# KiCad board solenoidDecoder.kicad_pcb
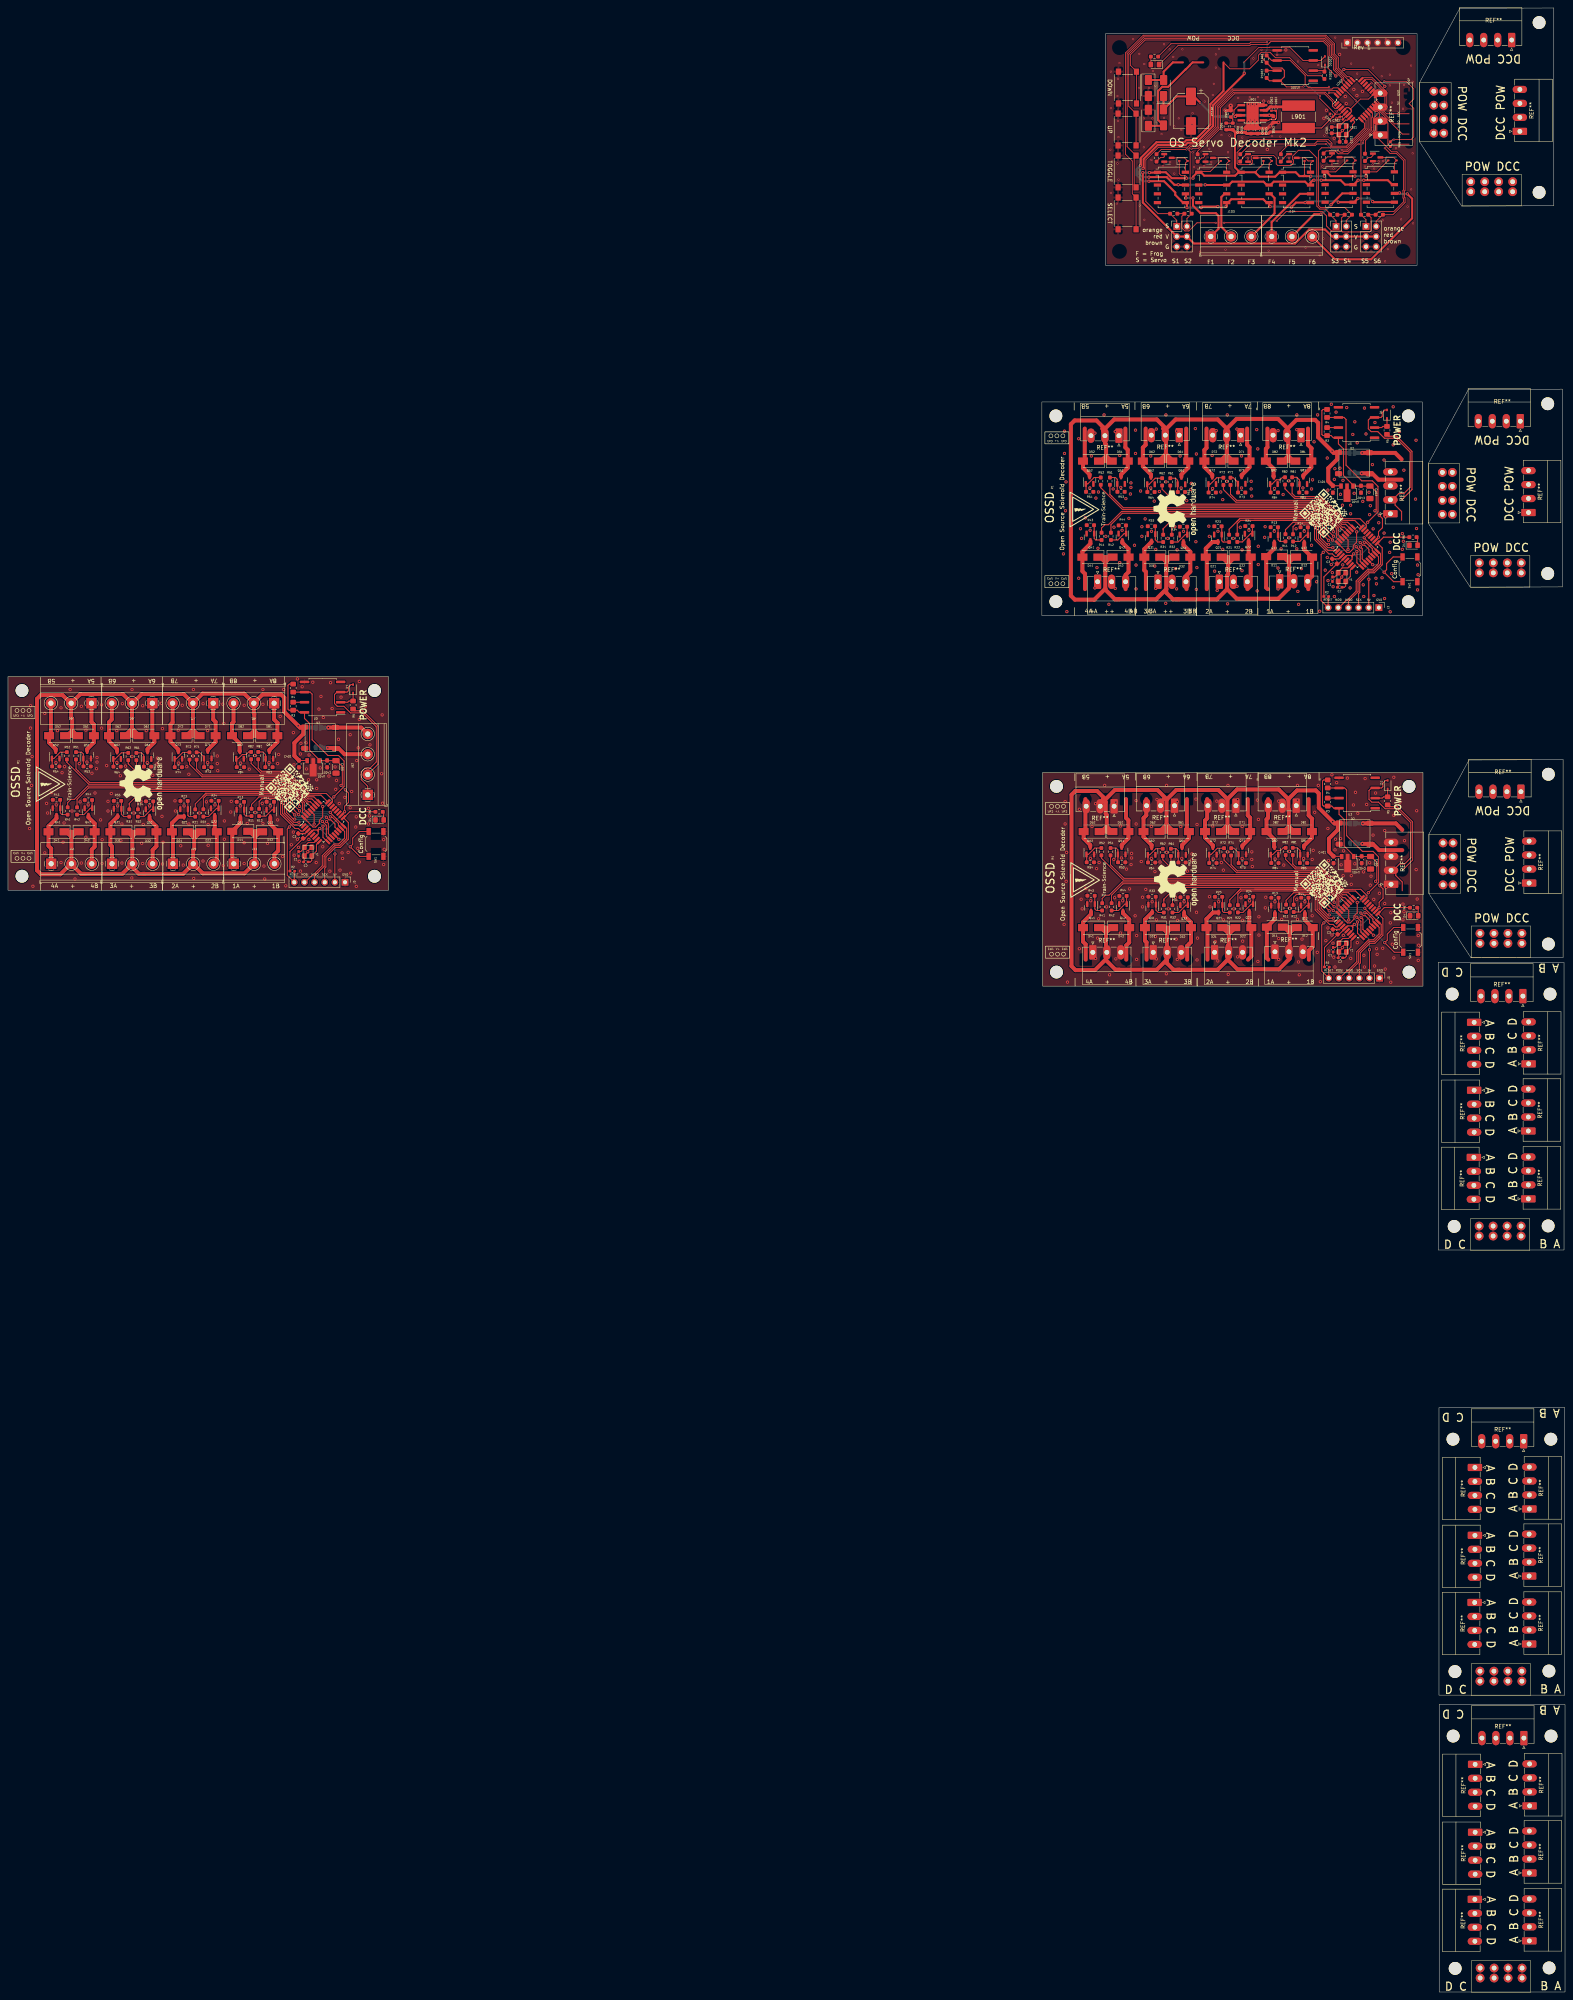
[diagram p0: board, top side]
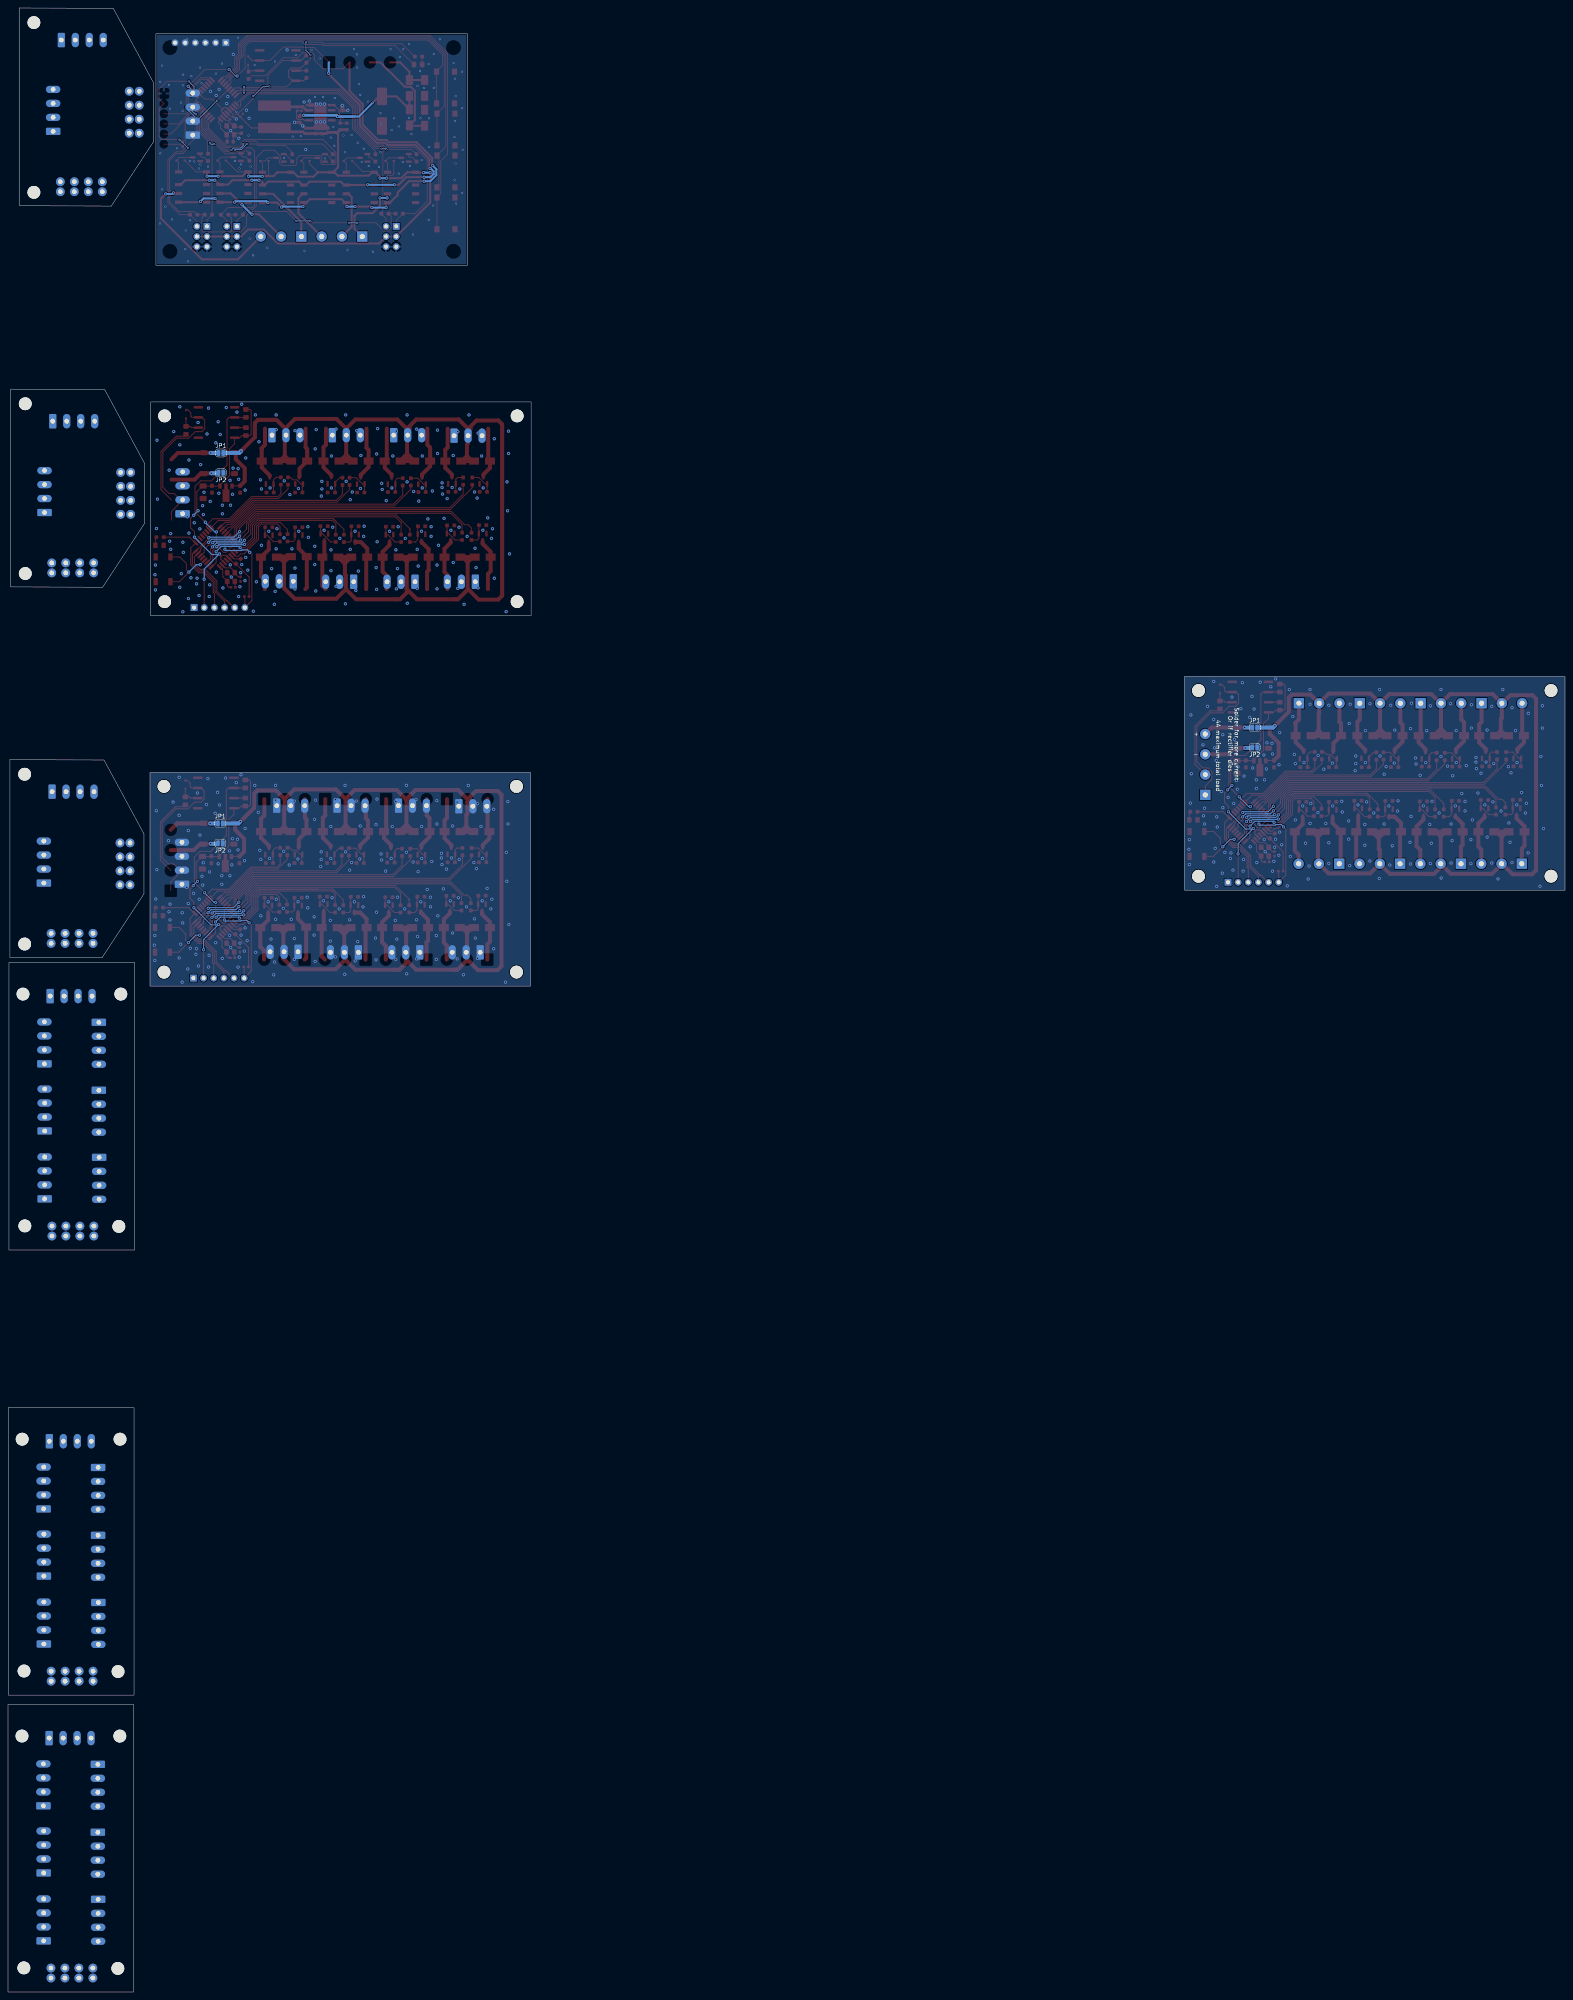
[diagram p1: board, bottom side, seen from below]

Outline 389.81 x 496.69 mm; copper layers: Top, Bottom. Coordinates in mm from the lower left corner of the outline.
Outline path: rectangle 0,329.32 95.25,275.82 ; rectangle 258.84,398.08 354.09,344.58 ; rectangle 259,305.32 354.25,251.82 ; rectangle 274.77,490.27 352.77,432.27 ; rectangle 358.06,257.75 389.56,185.75 ; rectangle 358.25,146.32 389.75,74.32 ; rectangle 358.31,72 389.81,0 ; 353.45,478.11 353.45,463.11 363.95,447.11 387.01,447.19 387.01,496.69 363.45,496.61 353.45,478.11 ; 355.61,382.68 355.61,367.68 366.11,351.68 389.16,351.77 389.16,401.27 365.61,401.18 355.61,382.68 ; 355.77,289.93 355.77,274.93 366.27,258.93 389.33,259.01 389.33,308.51 365.77,308.43 355.77,289.93
Stack: Top 0.035mm / dielectric 1.51mm FR4 er 4.5 / Bottom 0.035mm

## Placement (name value [footprint] x y rotation side)
C1  12pF  [C_0402_1005Metric_Pad0.74x0.62mm_HandSolder]  72.75 284.94 90 top
C1#2  12pF  [C_0402_1005Metric_Pad0.74x0.62mm_HandSolder]  331.59 353.69 90 top
C1#3  12pF  [C_0402_1005Metric_Pad0.74x0.62mm_HandSolder]  331.75 260.94 90 top
C2  12pF  [C_0402_1005Metric_Pad0.74x0.62mm_HandSolder]  333.42 351.66 0 top
C2#2  12pF  [C_0402_1005Metric_Pad0.74x0.62mm_HandSolder]  74.58 282.9 0 top
C2#3  12pF  [C_0402_1005Metric_Pad0.74x0.62mm_HandSolder]  333.58 258.9 0 top
C3  100nF  [C_0603_1608Metric_Pad1.08x0.95mm_HandSolder]  332.13 358.17 315 top
C3#2  100nF  [C_0603_1608Metric_Pad1.08x0.95mm_HandSolder]  73.29 289.42 315 top
C3#3  100nF  [C_0603_1608Metric_Pad1.08x0.95mm_HandSolder]  332.29 265.42 315 top
C201  12pF  [C_0603_1608Metric]  331.41 466.12 90 top
C202  100nF  [C_0402_1005Metric]  333.83 469.12 135 top
C203  12pF  [C_0603_1608Metric]  334.17 463.2 0 top
C204  100nF  [C_0402_1005Metric]  331.35 469.84 135 top
C401  330nF  [C_0603_1608Metric_Pad1.08x0.95mm_HandSolder]  72.85 307.46 270 top
C401#2  330nF  [C_0603_1608Metric_Pad1.08x0.95mm_HandSolder]  331.85 283.46 270 top
C401#3  330nF  [C_0603_1608Metric_Pad1.08x0.95mm_HandSolder]  331.69 376.22 270 top
C402  100nF  [C_0603_1608Metric_Pad1.08x0.95mm_HandSolder]  79.9 307.46 270 top
C402#2  100nF  [C_0603_1608Metric_Pad1.08x0.95mm_HandSolder]  338.9 283.46 270 top
C402#3  100nF  [C_0603_1608Metric_Pad1.08x0.95mm_HandSolder]  338.74 376.22 270 top
C403  100uF  [C_1206_3216Metric_Pad1.33x1.80mm_HandSolder]  341.12 282.7 270 top
C403#2  100uF  [C_1206_3216Metric_Pad1.33x1.80mm_HandSolder]  82.12 306.7 270 top
C403#3  100uF  [C_1206_3216Metric_Pad1.33x1.80mm_HandSolder]  340.96 375.45 270 top
C901  22uF  [C_0603_1608Metric]  316.79 468.82 270 top
C902  100nF  [C_0402_1005Metric]  316.28 471.46 90 top
C903  22nF  [C_0402_1005Metric]  317.43 471.46 90 top
C904  22uF  [C_0603_1608Metric]  311.19 466.03 90 top
C905  22uF  [C_0603_1608Metric]  312.85 466.03 90 top
C906  100nF  [C_0402_1005Metric]  309.81 466.03 90 top
C1101  1000uF  [CP_Elec_8x10.5]  296.17 470.87 270 top
D1  D  [D_SOD-323]  345.24 395.02 90 top
D1#2  D  [D_SOD-323]  345.4 302.26 90 top
D1#3  D  [D_SOD-323]  86.4 326.26 90 top
D2  ~  [4A rectifier]  78.17 314.01 0 top
D2#2  ~  [4A rectifier]  337.01 382.76 0 top
D2#3  ~  [4A rectifier]  337.18 290.01 0 top
D4  LED  [LED_0805_2012Metric_Pad1.15x1.40mm_HandSolder]  351.87 362.19 0 top
D4#2  LED  [LED_0805_2012Metric_Pad1.15x1.40mm_HandSolder]  352.03 269.43 0 top
D4#3  LED  [LED_0805_2012Metric_Pad1.15x1.40mm_HandSolder]  93.03 293.43 0 top
D11  ~  [D_SMA]  58.15 290.59 180 top
D11#2  ~  [D_SMA]  317.15 266.59 180 top
D11#3  ~  [D_SMA]  316.99 359.34 180 top
D12  ~  [D_SMA]  324.64 266.46 0 top
D12#2  ~  [D_SMA]  324.48 359.21 0 top
D12#3  ~  [D_SMA]  65.64 290.46 0 top
D21  ~  [D_SMA]  302.04 266.46 180 top
D21#2  ~  [D_SMA]  43.04 290.46 180 top
D21#3  ~  [D_SMA]  301.87 359.21 180 top
D22  ~  [D_SMA]  309.11 359.21 0 top
D22#2  ~  [D_SMA]  50.27 290.46 0 top
D22#3  ~  [D_SMA]  309.27 266.46 0 top
D31  ~  [D_SMA]  27.64 290.46 180 top
D31#2  ~  [D_SMA]  286.48 359.21 180 top
D31#3  ~  [D_SMA]  286.64 266.46 180 top
D32  ~  [D_SMA]  35.16 290.46 0 top
D32#2  ~  [D_SMA]  294 359.21 0 top
D32#3  ~  [D_SMA]  294.16 266.46 0 top
D41  ~  [D_SMA]  271.14 266.46 180 top
D41#2  ~  [D_SMA]  12.14 290.46 180 top
D41#3  ~  [D_SMA]  270.98 359.21 180 top
D42  ~  [D_SMA]  278.7 266.46 0 top
D42#2  ~  [D_SMA]  278.54 359.21 0 top
D42#3  ~  [D_SMA]  19.7 290.46 0 top
D51  ~  [D_SMA]  19.5 314.51 0 top
D51#2  ~  [D_SMA]  278.34 383.27 0 top
D51#3  ~  [D_SMA]  278.5 290.51 0 top
D52  ~  [D_SMA]  271.29 290.51 180 top
D52#2  ~  [D_SMA]  12.29 314.51 180 top
D52#3  ~  [D_SMA]  271.13 383.27 180 top
D61  ~  [D_SMA]  293.49 383.27 0 top
D61#2  ~  [D_SMA]  34.65 314.51 0 top
D61#3  ~  [D_SMA]  293.65 290.51 0 top
D62  ~  [D_SMA]  286.28 290.51 180 top
D62#2  ~  [D_SMA]  27.28 314.51 180 top
D62#3  ~  [D_SMA]  286.12 383.27 180 top
D71  ~  [D_SMA]  308.98 290.51 0 top
D71#2  ~  [D_SMA]  308.82 383.27 0 top
D71#3  ~  [D_SMA]  49.98 314.51 0 top
D72  ~  [D_SMA]  301.52 383.27 180 top
D72#2  ~  [D_SMA]  42.68 314.51 180 top
D72#3  ~  [D_SMA]  301.68 290.51 180 top
D81  ~  [D_SMA]  65.44 314.51 0 top
D81#2  ~  [D_SMA]  324.28 383.27 0 top
D81#3  ~  [D_SMA]  324.44 290.51 0 top
D82  ~  [D_SMA]  317.08 290.51 180 top
D82#2  ~  [D_SMA]  316.92 383.27 180 top
D82#3  ~  [D_SMA]  58.08 314.51 180 top
D201  LED  [LED_0805_2012Metric_Pad1.15x1.40mm_HandSolder]  287.14 482.54 180 top
D701  1N4148WS  [D_SOD-323#2]  294.27 458.41 0 top
D702  1N4148WS  [D_SOD-323#2]  304.68 458.41 0 top
D801  1N4148WS  [D_SOD-323#2]  315.35 458.41 0 top
D802  1N4148WS  [D_SOD-323#2]  325.63 458.41 0 top
D901  1N4148WS  [D_SOD-323#2]  336.3 458.53 0 top
D902  1N4148WS  [D_SOD-323#2]  346.59 458.53 0 top
D1001  1N4148WS  [D_SOD-323#2]  329.7 483.53 90 top
D1101  SS53  [D_SMA#2]  289.31 476.66 90 top
D1102  SS53  [D_SMA#2]  285.5 476.66 270 top
D1103  SS53  [D_SMA#2]  289.29 469.3 270 top
D1104  SS53  [D_SMA#2]  285.5 469.2 90 top
G***  LOGO  [OSSD_QR]  70.56 301.43 45 top
G***#2  LOGO  [OSSD_QR]  329.56 277.43 45 top
G***#3  LOGO  [Train-Science logo small]  270.5 278.45 90 top
G***#4  LOGO  [Train-Science logo small]  270.34 371.2 90 top
G***#5  LOGO  [Train-Science logo small]  11.5 302.45 90 top
G***#6  LOGO  [OSSD_QR]  329.39 370.19 45 top
J3  ICSP  [PinHeader_1x06_P2.54mm_Vertical]  343.37 253.82 270 top
J3#2  ICSP  [PinHeader_1x06_P2.54mm_Vertical]  84.37 277.82 270 top
J3#3  ICSP  [PinHeader_1x06_P2.54mm_Vertical]  343.21 346.58 270 top
J11  ~  [TerminalBlock_Phoenix_MKDS-1,5-3-5.08_1x03_P5.08mm_Horizontal]  56.53 282.46 0 top
J21  ~  [TerminalBlock_Phoenix_MKDS-1,5-3-5.08_1x03_P5.08mm_Horizontal]  41.29 282.46 0 top
J31  ~  [TerminalBlock_Phoenix_MKDS-1,5-3-5.08_1x03_P5.08mm_Horizontal]  26.05 282.46 0 top
J41  ~  [TerminalBlock_Phoenix_MKDS-1,5-3-5.08_1x03_P5.08mm_Horizontal]  10.81 282.46 0 top
J51  ~  [TerminalBlock_Phoenix_MKDS-1,5-3-5.08_1x03_P5.08mm_Horizontal]  20.9 322.64 180 top
J61  ~  [TerminalBlock_Phoenix_MKDS-1,5-3-5.08_1x03_P5.08mm_Horizontal]  36.14 322.64 180 top
J62  Screw_Terminal_01x04  [TerminalBlock_Phoenix_MKDS-1,5-4-5.08_1x04_P5.08mm_Horizontal]  90.06 299.7 90 top
J71  ~  [TerminalBlock_Phoenix_MKDS-1,5-3-5.08_1x03_P5.08mm_Horizontal]  51.38 322.64 180 top
J81  ~  [TerminalBlock_Phoenix_MKDS-1,5-3-5.08_1x03_P5.08mm_Horizontal]  66.62 322.64 180 top
J103  Screw_Terminal_01x03  [TerminalBlock_Phoenix_MKDS-1,5-3-5.08_1x03_P5.08mm_Horizontal]  301.12 439.48 0 top
J104  Screw_Terminal_01x03  [TerminalBlock_Phoenix_MKDS-1,5-3-5.08_1x03_P5.08mm_Horizontal]  316.36 439.48 0 top
J201  ICSP  [PinHeader_1x06_P2.54mm_Vertical]  335.29 488 90 top
J701  Conn_02x03_Odd_Even  [PinHeader_2x03_P2.54mm_Vertical]  292.61 442.02 0 top
J801  Conn_02x03_Odd_Even  [PinHeader_2x03_P2.54mm_Vertical]  332.49 442.02 0 top
J901  Conn_02x03_Odd_Even  [PinHeader_2x03_P2.54mm_Vertical]  339.99 442.02 0 top
JP1  SolderJumper_2_Open  [SolderJumper-2_P1.3mm_Open_RoundedPad1.0x1.5mm]  77.67 316.55 180 bottom
JP1#2  SolderJumper_2_Open  [SolderJumper-2_P1.3mm_Open_RoundedPad1.0x1.5mm]  336.51 385.3 180 bottom
JP1#3  SolderJumper_2_Open  [SolderJumper-2_P1.3mm_Open_RoundedPad1.0x1.5mm]  336.67 292.55 180 bottom
JP2  SolderJumper_2_Open  [SolderJumper-2_P1.3mm_Open_RoundedPad1.0x1.5mm]  77.67 311.59 0 bottom
JP2#2  SolderJumper_2_Open  [SolderJumper-2_P1.3mm_Open_RoundedPad1.0x1.5mm]  336.67 287.59 0 bottom
JP2#3  SolderJumper_2_Open  [SolderJumper-2_P1.3mm_Open_RoundedPad1.0x1.5mm]  336.51 380.35 0 bottom
K701  G6K-2F-Y-TR DC5  [Relay_DPDT_Omron_G6K-2F-Y]  291.27 451.77 0 top
K702  G6K-2F-Y-TR DC5  [Relay_DPDT_Omron_G6K-2F-Y]  301.62 451.77 0 top
K801  G6K-2F-Y-TR DC5  [Relay_DPDT_Omron_G6K-2F-Y]  312.24 451.77 0 top
K802  G6K-2F-Y-TR DC5  [Relay_DPDT_Omron_G6K-2F-Y]  322.59 451.77 0 top
K901  G6K-2F-Y-TR DC5  [Relay_DPDT_Omron_G6K-2F-Y]  333.24 451.87 0 top
K902  G6K-2F-Y-TR DC5  [Relay_DPDT_Omron_G6K-2F-Y]  343.59 451.87 0 top
L901  L  [L_Bourns-SRN8040_8x8.15mm]  323.09 469.45 270 top
Q11  ~  [SOT-23]  58.18 295.03 270 top
Q11#2  ~  [SOT-23]  317.02 363.79 270 top
Q11#3  ~  [SOT-23]  317.18 271.03 270 top
Q12  ~  [SOT-23]  324.67 271.03 270 top
Q12#2  ~  [SOT-23]  324.51 363.79 270 top
Q12#3  ~  [SOT-23]  65.67 295.03 270 top
Q21  ~  [SOT-23]  302.92 363.94 270 top
Q21#2  ~  [SOT-23]  44.08 295.18 270 top
Q21#3  ~  [SOT-23]  303.08 271.18 270 top
Q22  ~  [SOT-23]  310.76 271.39 270 top
Q22#2  ~  [SOT-23]  51.76 295.39 270 top
Q22#3  ~  [SOT-23]  310.6 364.14 270 top
Q31  ~  [SOT-23]  286.45 271.28 270 top
Q31#2  ~  [SOT-23]  27.45 295.28 270 top
Q31#3  ~  [SOT-23]  286.29 364.04 270 top
Q32  ~  [SOT-23]  294.45 271.16 270 top
Q32#2  ~  [SOT-23]  294.29 363.91 270 top
Q32#3  ~  [SOT-23]  35.45 295.16 270 top
Q41  ~  [SOT-23]  12.14 295.41 270 top
Q41#2  ~  [SOT-23]  270.98 364.17 270 top
Q41#3  ~  [SOT-23]  271.14 271.41 270 top
Q42  ~  [SOT-23]  20.14 295.41 270 top
Q42#2  ~  [SOT-23]  279.14 271.41 270 top
Q42#3  ~  [SOT-23]  278.98 364.17 270 top
Q51  ~  [SOT-23]  19.82 309.74 90 top
Q51#2  ~  [SOT-23]  278.82 285.74 90 top
Q51#3  ~  [SOT-23]  278.66 378.49 90 top
Q52  ~  [SOT-23]  11.95 309.74 90 top
Q52#2  ~  [SOT-23]  270.95 285.74 90 top
Q52#3  ~  [SOT-23]  270.79 378.49 90 top
Q61  ~  [SOT-23]  34.93 309.64 90 top
Q61#2  ~  [SOT-23]  293.77 378.39 90 top
Q61#3  ~  [SOT-23]  293.93 285.64 90 top
Q62  ~  [SOT-23]  286.31 285.64 90 top
Q62#2  ~  [SOT-23]  286.15 378.39 90 top
Q62#3  ~  [SOT-23]  27.31 309.64 90 top
Q71  ~  [SOT-23]  309.01 285.77 90 top
Q71#2  ~  [SOT-23]  50.01 309.77 90 top
Q71#3  ~  [SOT-23]  308.85 378.52 90 top
Q72  ~  [SOT-23]  301.49 378.44 90 top
Q72#2  ~  [SOT-23]  301.65 285.69 90 top
Q72#3  ~  [SOT-23]  42.65 309.69 90 top
Q81  ~  [SOT-23]  65.44 309.69 90 top
Q81#2  ~  [SOT-23]  324.28 378.44 90 top
Q81#3  ~  [SOT-23]  324.44 285.69 90 top
Q82  ~  [SOT-23]  58.08 309.69 90 top
Q82#2  ~  [SOT-23]  317.08 285.69 90 top
Q82#3  ~  [SOT-23]  316.92 378.44 90 top
Q701  NPN_TOR  [SOT-23]  290.41 459.17 0 top
Q702  NPN_TOR  [SOT-23]  300.74 459.17 0 top
Q801  NPN_TOR  [SOT-23]  311.41 459.17 0 top
Q802  NPN_TOR  [SOT-23]  321.7 459.17 0 top
Q901  NPN_TOR  [SOT-23]  332.41 459.36 0 top
Q902  NPN_TOR  [SOT-23]  342.65 459.3 0 top
R2  10k  [R_0402_1005Metric_Pad0.72x0.64mm_HandSolder]  330.03 349.36 0 top
R2#2  10k  [R_0402_1005Metric_Pad0.72x0.64mm_HandSolder]  71.19 280.61 0 top
R2#3  10k  [R_0402_1005Metric_Pad0.72x0.64mm_HandSolder]  330.19 256.61 0 top
R3  10k  [R_0805_2012Metric_Pad1.20x1.40mm_HandSolder]  330.24 390.65 90 top
R3#2  10k  [R_0805_2012Metric_Pad1.20x1.40mm_HandSolder]  71.4 321.9 90 top
R3#3  10k  [R_0805_2012Metric_Pad1.20x1.40mm_HandSolder]  330.4 297.9 90 top
R4  10k  [R_0805_2012Metric_Pad1.20x1.40mm_HandSolder]  71.4 326.44 270 top
R4#2  10k  [R_0805_2012Metric_Pad1.20x1.40mm_HandSolder]  330.4 302.44 270 top
R4#3  10k  [R_0805_2012Metric_Pad1.20x1.40mm_HandSolder]  330.24 395.19 270 top
R5  1k  [R_0805_2012Metric_Pad1.20x1.40mm_HandSolder]  345.4 298.2 90 top
R5#2  1k  [R_0805_2012Metric_Pad1.20x1.40mm_HandSolder]  86.4 322.2 90 top
R5#3  1k  [R_0805_2012Metric_Pad1.20x1.40mm_HandSolder]  345.24 390.95 90 top
R6  6k2  [R_0603_1608Metric_Pad0.98x0.95mm_HandSolder]  351.75 364.22 0 top
R6#2  6k2  [R_0603_1608Metric_Pad0.98x0.95mm_HandSolder]  92.91 295.46 0 top
R6#3  6k2  [R_0603_1608Metric_Pad0.98x0.95mm_HandSolder]  351.91 271.46 0 top
R11  ~  [R_0603_1608Metric_Pad0.98x0.95mm_HandSolder]  319.97 271.31 270 top
R11#2  ~  [R_0603_1608Metric_Pad0.98x0.95mm_HandSolder]  319.81 364.06 270 top
R11#3  ~  [R_0603_1608Metric_Pad0.98x0.95mm_HandSolder]  60.97 295.31 270 top
R12  ~  [R_0603_1608Metric_Pad0.98x0.95mm_HandSolder]  321.72 364.04 270 top
R12#2  ~  [R_0603_1608Metric_Pad0.98x0.95mm_HandSolder]  321.88 271.28 270 top
R12#3  ~  [R_0603_1608Metric_Pad0.98x0.95mm_HandSolder]  62.88 295.28 270 top
R13  ~  [R_0603_1608Metric_Pad0.98x0.95mm_HandSolder]  317.18 273.95 0 top
R13#2  ~  [R_0603_1608Metric_Pad0.98x0.95mm_HandSolder]  317.02 366.71 0 top
R13#3  ~  [R_0603_1608Metric_Pad0.98x0.95mm_HandSolder]  58.18 297.95 0 top
R14  ~  [R_0603_1608Metric_Pad0.98x0.95mm_HandSolder]  65.67 297.95 0 top
R14#2  ~  [R_0603_1608Metric_Pad0.98x0.95mm_HandSolder]  324.67 273.95 0 top
R14#3  ~  [R_0603_1608Metric_Pad0.98x0.95mm_HandSolder]  324.51 366.71 0 top
R21  ~  [R_0603_1608Metric_Pad0.98x0.95mm_HandSolder]  305.72 363.91 270 top
R21#2  ~  [R_0603_1608Metric_Pad0.98x0.95mm_HandSolder]  46.88 295.16 270 top
R21#3  ~  [R_0603_1608Metric_Pad0.98x0.95mm_HandSolder]  305.88 271.16 270 top
R22  ~  [R_0603_1608Metric_Pad0.98x0.95mm_HandSolder]  307.91 271.18 270 top
R22#2  ~  [R_0603_1608Metric_Pad0.98x0.95mm_HandSolder]  307.75 363.94 270 top
R22#3  ~  [R_0603_1608Metric_Pad0.98x0.95mm_HandSolder]  48.91 295.18 270 top
R23  ~  [R_0603_1608Metric_Pad0.98x0.95mm_HandSolder]  44.08 298.18 0 top
R23#2  ~  [R_0603_1608Metric_Pad0.98x0.95mm_HandSolder]  303.08 274.18 0 top
R23#3  ~  [R_0603_1608Metric_Pad0.98x0.95mm_HandSolder]  302.92 366.94 0 top
R24  ~  [R_0603_1608Metric_Pad0.98x0.95mm_HandSolder]  51.83 298.23 0 top
R24#2  ~  [R_0603_1608Metric_Pad0.98x0.95mm_HandSolder]  310.67 366.98 0 top
R24#3  ~  [R_0603_1608Metric_Pad0.98x0.95mm_HandSolder]  310.83 274.23 0 top
R31  ~  [R_0603_1608Metric_Pad0.98x0.95mm_HandSolder]  30.37 295.16 270 top
R31#2  ~  [R_0603_1608Metric_Pad0.98x0.95mm_HandSolder]  289.37 271.16 270 top
R31#3  ~  [R_0603_1608Metric_Pad0.98x0.95mm_HandSolder]  289.21 363.91 270 top
R32  ~  [R_0603_1608Metric_Pad0.98x0.95mm_HandSolder]  291.53 271.16 270 top
R32#2  ~  [R_0603_1608Metric_Pad0.98x0.95mm_HandSolder]  32.53 295.16 270 top
R32#3  ~  [R_0603_1608Metric_Pad0.98x0.95mm_HandSolder]  291.37 363.91 270 top
R33  ~  [R_0603_1608Metric_Pad0.98x0.95mm_HandSolder]  286.26 366.96 0 top
R33#2  ~  [R_0603_1608Metric_Pad0.98x0.95mm_HandSolder]  27.42 298.21 0 top
R33#3  ~  [R_0603_1608Metric_Pad0.98x0.95mm_HandSolder]  286.42 274.21 0 top
R34  ~  [R_0603_1608Metric_Pad0.98x0.95mm_HandSolder]  294.29 366.83 0 top
R34#2  ~  [R_0603_1608Metric_Pad0.98x0.95mm_HandSolder]  294.45 274.08 0 top
R34#3  ~  [R_0603_1608Metric_Pad0.98x0.95mm_HandSolder]  35.45 298.08 0 top
R41  ~  [R_0603_1608Metric_Pad0.98x0.95mm_HandSolder]  273.94 271.67 270 top
R41#2  ~  [R_0603_1608Metric_Pad0.98x0.95mm_HandSolder]  14.94 295.67 270 top
R41#3  ~  [R_0603_1608Metric_Pad0.98x0.95mm_HandSolder]  273.78 364.42 270 top
R42  ~  [R_0603_1608Metric_Pad0.98x0.95mm_HandSolder]  17.29 295.67 270 top
R42#2  ~  [R_0603_1608Metric_Pad0.98x0.95mm_HandSolder]  276.29 271.67 270 top
R42#3  ~  [R_0603_1608Metric_Pad0.98x0.95mm_HandSolder]  276.13 364.42 270 top
R43  ~  [R_0603_1608Metric_Pad0.98x0.95mm_HandSolder]  12.14 298.46 0 top
R43#2  ~  [R_0603_1608Metric_Pad0.98x0.95mm_HandSolder]  271.14 274.46 0 top
R43#3  ~  [R_0603_1608Metric_Pad0.98x0.95mm_HandSolder]  270.98 367.21 0 top
R44  ~  [R_0603_1608Metric_Pad0.98x0.95mm_HandSolder]  278.98 367.17 0 top
R44#2  ~  [R_0603_1608Metric_Pad0.98x0.95mm_HandSolder]  279.14 274.41 0 top
R44#3  ~  [R_0603_1608Metric_Pad0.98x0.95mm_HandSolder]  20.14 298.41 0 top
R51  ~  [R_0603_1608Metric_Pad0.98x0.95mm_HandSolder]  275.87 378.24 90 top
R51#2  ~  [R_0603_1608Metric_Pad0.98x0.95mm_HandSolder]  276.03 285.48 90 top
R51#3  ~  [R_0603_1608Metric_Pad0.98x0.95mm_HandSolder]  17.03 309.48 90 top
R52  ~  [R_0603_1608Metric_Pad0.98x0.95mm_HandSolder]  273.58 378.24 90 top
R52#2  ~  [R_0603_1608Metric_Pad0.98x0.95mm_HandSolder]  273.74 285.48 90 top
R52#3  ~  [R_0603_1608Metric_Pad0.98x0.95mm_HandSolder]  14.74 309.48 90 top
R53  ~  [R_0603_1608Metric_Pad0.98x0.95mm_HandSolder]  19.82 306.82 180 top
R53#2  ~  [R_0603_1608Metric_Pad0.98x0.95mm_HandSolder]  278.66 375.57 180 top
R53#3  ~  [R_0603_1608Metric_Pad0.98x0.95mm_HandSolder]  278.82 282.82 180 top
R54  ~  [R_0603_1608Metric_Pad0.98x0.95mm_HandSolder]  270.97 282.82 180 top
R54#2  ~  [R_0603_1608Metric_Pad0.98x0.95mm_HandSolder]  270.81 375.57 180 top
R54#3  ~  [R_0603_1608Metric_Pad0.98x0.95mm_HandSolder]  11.97 306.82 180 top
R61  ~  [R_0603_1608Metric_Pad0.98x0.95mm_HandSolder]  32.14 309.31 90 top
R61#2  ~  [R_0603_1608Metric_Pad0.98x0.95mm_HandSolder]  291.14 285.31 90 top
R61#3  ~  [R_0603_1608Metric_Pad0.98x0.95mm_HandSolder]  290.98 378.06 90 top
R62  ~  [R_0603_1608Metric_Pad0.98x0.95mm_HandSolder]  30.11 309.31 90 top
R62#2  ~  [R_0603_1608Metric_Pad0.98x0.95mm_HandSolder]  288.94 378.06 90 top
R62#3  ~  [R_0603_1608Metric_Pad0.98x0.95mm_HandSolder]  289.11 285.31 90 top
R63  ~  [R_0603_1608Metric_Pad0.98x0.95mm_HandSolder]  293.77 375.52 180 top
R63#2  ~  [R_0603_1608Metric_Pad0.98x0.95mm_HandSolder]  34.93 306.77 180 top
R63#3  ~  [R_0603_1608Metric_Pad0.98x0.95mm_HandSolder]  293.93 282.77 180 top
R64  ~  [R_0603_1608Metric_Pad0.98x0.95mm_HandSolder]  286.31 282.77 180 top
R64#2  ~  [R_0603_1608Metric_Pad0.98x0.95mm_HandSolder]  286.15 375.52 180 top
R64#3  ~  [R_0603_1608Metric_Pad0.98x0.95mm_HandSolder]  27.31 306.77 180 top
R71  ~  [R_0603_1608Metric_Pad0.98x0.95mm_HandSolder]  47.22 309.43 90 top
R71#2  ~  [R_0603_1608Metric_Pad0.98x0.95mm_HandSolder]  306.22 285.43 90 top
R71#3  ~  [R_0603_1608Metric_Pad0.98x0.95mm_HandSolder]  306.06 378.19 90 top
R72  ~  [R_0603_1608Metric_Pad0.98x0.95mm_HandSolder]  304.44 285.43 90 top
R72#2  ~  [R_0603_1608Metric_Pad0.98x0.95mm_HandSolder]  45.44 309.43 90 top
R72#3  ~  [R_0603_1608Metric_Pad0.98x0.95mm_HandSolder]  304.28 378.19 90 top
R73  ~  [R_0603_1608Metric_Pad0.98x0.95mm_HandSolder]  309.01 282.64 180 top
R73#2  ~  [R_0603_1608Metric_Pad0.98x0.95mm_HandSolder]  50.01 306.64 180 top
R73#3  ~  [R_0603_1608Metric_Pad0.98x0.95mm_HandSolder]  308.85 375.39 180 top
R74  ~  [R_0603_1608Metric_Pad0.98x0.95mm_HandSolder]  301.65 282.64 180 top
R74#2  ~  [R_0603_1608Metric_Pad0.98x0.95mm_HandSolder]  42.65 306.64 180 top
R74#3  ~  [R_0603_1608Metric_Pad0.98x0.95mm_HandSolder]  301.49 375.39 180 top
R81  ~  [R_0603_1608Metric_Pad0.98x0.95mm_HandSolder]  321.49 378.29 90 top
R81#2  ~  [R_0603_1608Metric_Pad0.98x0.95mm_HandSolder]  321.65 285.54 90 top
R81#3  ~  [R_0603_1608Metric_Pad0.98x0.95mm_HandSolder]  62.65 309.54 90 top
R82  ~  [R_0603_1608Metric_Pad0.98x0.95mm_HandSolder]  319.87 285.54 90 top
R82#2  ~  [R_0603_1608Metric_Pad0.98x0.95mm_HandSolder]  60.87 309.54 90 top
R82#3  ~  [R_0603_1608Metric_Pad0.98x0.95mm_HandSolder]  319.71 378.29 90 top
R83  ~  [R_0603_1608Metric_Pad0.98x0.95mm_HandSolder]  65.34 306.64 180 top
R83#2  ~  [R_0603_1608Metric_Pad0.98x0.95mm_HandSolder]  324.34 282.64 180 top
R83#3  ~  [R_0603_1608Metric_Pad0.98x0.95mm_HandSolder]  324.18 375.39 180 top
R84  ~  [R_0603_1608Metric_Pad0.98x0.95mm_HandSolder]  317.02 375.39 180 top